# Altium PCB PCB_v4.PcbDoc (part 4 of 7) (continued)
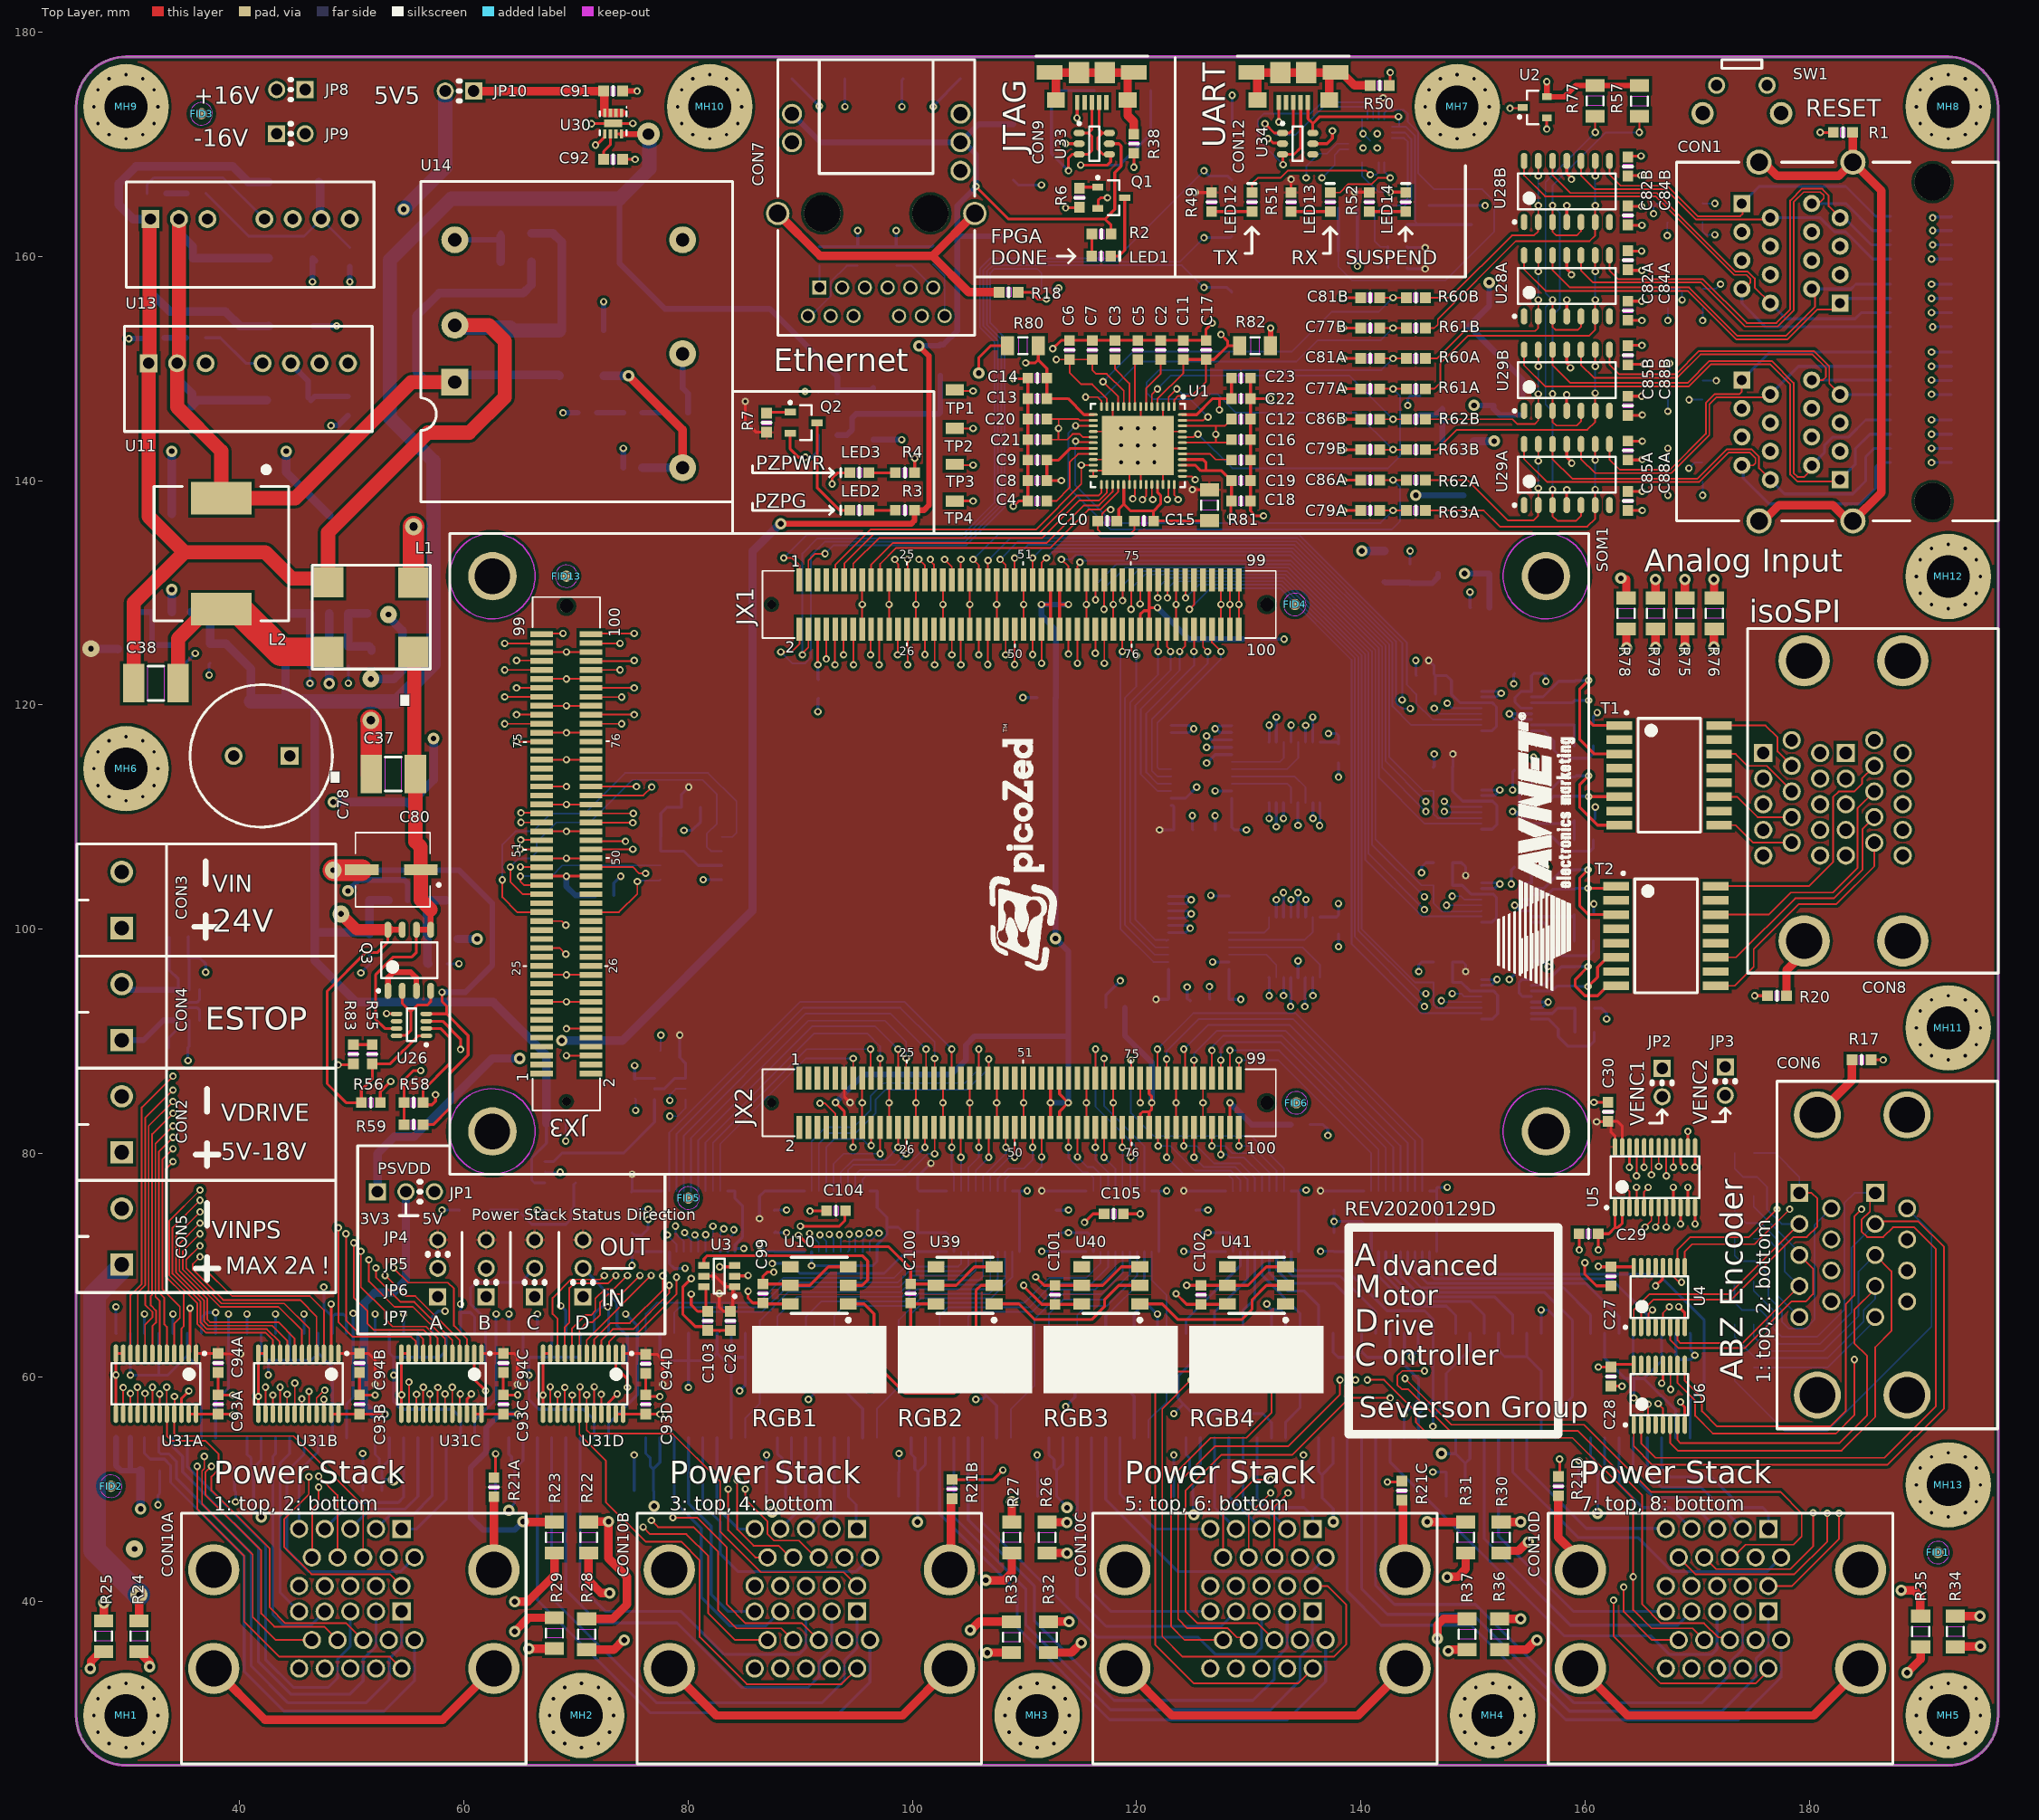
[diagram p0: Top Layer view]
## Nets (pads, with @x,y where several pads share a name; then routed paths per layer and width w, separated by ;. In a path a pad name is that pad's centre, name@x,y a point inside that pad or via, vN(x,y) a via of type N, cw(c..) or ccw(c..) an arc to the next point about the centre after c; other vN are vias at no path point) (continued)
  Bottom Layer w0.508: v1(30.099,152.654) 30.118,152.673 31.5,152.673 R40.1@31.566,152.739 ; v1(46.482,157.734) 46.482,159.816 C41.2@46.505,159.839 C41.2@46.745,159.599 ; C36.2@46.533,153.765 46.565,153.797 v1(48.641,153.797) ; v1(48.133,144.907) 48.152,144.926 48.767,144.926 C39.1@49.645,145.805 ; v2(49.651,103.397) 50.637,104.383 54.671,104.383 54.973,104.081 U15.3@54.973,102.548 ; v1(49.808,157.734) C44.2@49.808,159.091 ; v1(68.834,146.05) 70.13,146.05 R45.1@70.143,146.063 ; C48.2@72.453,153.416 v1(72.453,155.956) ; C50.1@74.207,141.157 v1(74.207,142.875) ; U17.1@96.516,143.664 96.524,143.656 99.04,143.656 v1(99.048,143.648) ; v2(144.907,138.684) 149.152,138.684 U18.4@149.173,138.663 ; v2(150.09,146.706) U19.1@151.839,146.706 151.839,146.402 152.385,145.856 C59.2@154.432,145.856
  Bottom Layer w0.762: v2(33.934,130.277) 33.939,130.272 33.939,128.275 U21.3@33.944,128.27 ; v2(33.934,142.621) 33.934,137.043 U21.6@33.944,137.033 ; v2(44.128,142.621) 44.128,140.755 U20.6@47.976,136.906 ; v1(46.253,121.92) v1@46.264,121.931 ; C61.2@46.264,123.599 C61.2@46.275,123.61 ; v2(47.976,121.895) U20.3@47.976,128.143 ; v2(48.336,111.328) 54.956,111.328 U15.6@54.973,111.311 55.134,111.15 57.28,113.296 v2(57.28,116.994)
  other v1: 41.656,58.303 169.799,61.976 137.06,81.585 97.918,84.496 105.118,84.496 152.146,95.504 124.87,101.346 124.87,102.606 152.4,104.013 69.132,106.308 69.132,108.708 69.132,111.108 69.132,115.108 69.132,117.508 125.095,117.856 127,117.856 69.132,119.908 152.527,121.031 69.132,122.308 69.132,124.708 95.518,128.946 97.918,128.946 100.318,128.946 102.718,128.946 105.118,128.946 107.518,128.946 109.918,128.946 115.518,128.946 117.918,128.946 123.518,128.946 120.105,141.608 118.628,141.629 121.583,141.629 118.628,143.15 121.583,143.15 120.105,144.65 118.628,144.672 121.583,144.672 140.196,169.672 141.466,169.672 140.196,170.942 141.466,170.942
GND_IN: C37.1 C78.2 C80.2 CON3.2 L1.2 R59.2 U26.4 | length 116.2
  Top Layer w0.254: R59.2@56.349,82.55 57.259,82.55 58.684,83.975 58.684,87.075 60.369,88.759 60.369,90.507 58.451,92.425 ; U26.4@56.635,92.425 58.451,92.425 ; v1(58.039,94.361) 58.039,93.53 58.451,93.118 58.451,92.425
  Top Layer w1.905: v4(48.336,105.243) 50.844,105.243 C80.2@50.884,105.283 ; v5(51.689,118.618) 51.725,118.582 C37.1@51.725,113.826 ; L1.2@55.479,130.914 55.479,135.87 v5(55.499,135.89)
  Int2 (Sign) w1.905: CON3.2@29.464,105.091 33.717,105.091 39.446,110.82 ; v4(48.336,105.243) 45.023,105.243 39.446,110.82 ; v5(55.499,135.89) 55.499,122.428 v5(51.689,118.618) 42.621,118.618 C78.2@39.446,115.443 39.446,110.82
  Bottom Layer w0.508: v4(48.336,105.243) 59.574,105.243 62.528,102.289 62.528,96.773 60.116,94.361 v1(58.039,94.361)
GND_IN2: C36.1 C38.1 C40.1 C42.1 C46.1 C48.1 C49.1 L1.3 R47.2 U11.1 U13.1 U14.2 | length 156.5
  Top Layer w1.27: C38.1@30.544,121.92 30.544,129.096 35.052,133.604 ; U13.1@32.028,163.329 31.946,163.248 31.946,150.546 U11.1@31.865,150.465 31.865,136.791 35.052,133.604 ; U14.2@59.182,153.857 62.214,153.857 63.627,152.444 63.627,147.424 60.475,144.272 56.769,144.272 47.879,135.382 L1.3@47.879,130.937 47.545,131.271 44.624,131.271 42.291,133.604 35.052,133.604
  Bottom Layer w0.762: C40.1@31.802,146.655 31.834,146.686 31.834,150.433 U11.1@31.865,150.465 ; C42.1@42.569,166.629 40.762,166.629 39.37,168.021 30.734,168.021 29.21,166.497 29.21,164.592 30.473,163.329 U13.1@32.028,163.329 31.946,163.247 31.946,159.921 C46.1@31.864,159.839 31.864,156.979 33.776,155.067 38.735,155.067 40.037,153.765 C36.1@42.597,153.765 C36.1@42.579,153.784 ; R47.2@66.018,162.052 67.945,162.052 68.707,161.29 68.707,153.606 C48.1@68.517,153.416 C48.1@68.485,153.384
  Bottom Layer w1.27: U14.2@59.182,153.857 59.398,153.641 64.1,153.641 64.357,153.384 C48.1@68.485,153.384
GND_IN_PS: CON5.2 CON10A.14A CON10A.14B CON10B.14A CON10B.14B CON10C.14A CON10C.14B CON10D.14A CON10D.14B | length 267.5
  Int2 (Sign) w1.27: CON5.2@29.464,75.068 26.924,72.528 26.924,48.387 v4(30.607,44.704)
  Int3 (Sign) w0.508: 43.931,42.672 46.304,42.672 CON10A.14A@47.574,41.402 ; 84.76,42.723 86.893,42.723 CON10B.14A@88.214,41.402 ; 124.663,42.621 127.635,42.621 CON10C.14A@128.854,41.402 ; 165.354,41.783 166.294,42.723 168.173,42.723 CON10D.14A@169.494,41.402
  Int3 (Sign) w1.27: v4(30.607,44.704) 36.83,38.481 39.74,38.481 ; 43.931,42.672 39.74,38.481 ; CON10A.14B@47.574,34.036 47.574,30.353 ; 84.76,42.723 82.931,40.894 82.931,30.48 ; CON10B.14B@88.214,34.036 88.214,30.48 ; 124.663,42.621 123.063,41.021 123.063,30.226 ; CON10C.14B@128.854,34.036 128.854,30.226 ; 165.354,41.783 165.354,29.591 ; CON10D.14B@169.494,34.036 169.426,33.968 169.426,31.682 167.335,29.591 165.354,29.591 ; 39.74,38.481 42.164,36.057 42.164,33.234 45.045,30.353 47.574,30.353 ; 47.574,30.353 64.008,30.353 68.58,34.925 72.527,34.925 76.972,30.48 82.931,30.48 ; 82.931,30.48 88.214,30.48 ; 88.214,30.48 104.457,30.48 108.902,34.925 113.157,34.925 117.856,30.226 123.063,30.226 ; 123.063,30.226 128.854,30.226 ; 128.854,30.226 145.004,30.226 149.703,34.925 153.909,34.925 159.243,29.591 165.354,29.591
IMA: R66.2 T1.3 U9A.10 | length 15.4
  Top Layer w0.254: v1(160.318,122.174) 159.512,121.368 159.512,116.928 160.829,115.611 T1.3@163.068,115.611
  Bottom Layer w0.254: U9A.10@155.221,120.694 155.229,120.702 156.255,120.702 157.652,122.1 R66.2@159.099,122.1 159.173,122.174 v1(160.318,122.174)
IMB: R67.2 T1.8 U9B.10 | length 13.2
  Top Layer w0.254: v1(160.318,113.665) 159.512,112.859 159.512,110.871 161.122,109.261 T1.8@163.068,109.261
  Bottom Layer w0.254: U9B.10@155.221,111.9 156.41,111.9 158.06,113.55 R67.2@159.099,113.55 159.214,113.665 v1(160.318,113.665)
IMC: R68.2 T2.3 U9C.10 | length 12.8
  Top Layer w0.254: v1(160.274,105.283) 159.512,104.521 159.512,102.091 160.318,101.285 T2.3@162.773,101.285
  Bottom Layer w0.254: U9C.10@155.221,103.615 156.32,103.615 157.97,105.265 R68.2@159.099,105.265 159.117,105.283 v1(160.274,105.283)
IMD: R69.2 T2.8 U9D.10 | length 12.3
  Top Layer w0.254: v1(160.274,96.647) 160.272,96.647 159.127,95.503 159.127,94.898 159.981,94.043 161.119,94.043 162.011,94.935 T2.8@162.773,94.935
  Bottom Layer w0.254: U9D.10@155.221,94.976 155.229,94.985 156.258,94.985 157.9,96.626 R69.2@159.099,96.626 159.12,96.647 v1(160.274,96.647)
INV1_PWM1: CON10A.1A U23E.11 | length 10.8
  Bottom Layer w0.254: CON10A.1A@54.229,46.685 CON10A.1A@54.432,46.482 55.767,46.482 58.42,49.135 U23E.11@58.42,54.61
INV1_PWM2: CON10A.2A U23E.12 | length 11.4
  Bottom Layer w0.254: CON10A.2A@52.146,46.482 53.416,47.752 55.474,47.752 57.15,49.428 U23E.12@57.15,54.61
INV1_PWM3: CON10A.3A U23E.13 | length 12.5
  Bottom Layer w0.254: CON10A.3A@49.86,46.482 51.638,48.26 54.762,48.26 55.88,49.378 U23E.13@55.88,54.61
INV1_PWM4: CON10A.4A U23E.14 | length 13.5
  Bottom Layer w0.254: CON10A.4A@47.574,46.482 49.931,48.839 54.135,48.839 54.61,49.313 U23E.14@54.61,54.61
INV1_PWM5: CON10A.5A U25F.11 | length 8.8
  Bottom Layer w0.254: CON10A.5A@45.288,46.482 45.288,51.671 46.99,53.372 U25F.11@46.99,54.61
INV1_PWM6: CON10A.6A U25F.12 | length 23.3
  Bottom Layer w0.254: U25F.12@45.72,54.61 45.72,53.137 44.196,51.613 44.196,44.633 46.157,42.672 54.305,42.672 CON10A.6A@55.575,43.942
INV2_PWM1: CON10A.1B U23F.13 | length 45.3
  Bottom Layer w0.254: U23F.13@32.766,54.61 32.766,53.362 32.951,53.177 33.672,53.177 34.336,52.514 34.336,51.008 41.021,44.323 41.021,34.239 44.272,30.988 51.281,30.988 53.34,33.047 53.34,34.905 54.432,35.997 CON10A.1B@54.432,39.116
INV2_PWM2: CON10A.2B U23F.12 | length 40.8
  Bottom Layer w0.254: U23F.12@34.036,54.61 34.036,53.81 34.9,52.946 34.9,51.567 41.645,44.822 41.645,34.653 44.547,31.75 49.824,31.75 51.003,32.929 51.003,34.854 52.146,35.997 CON10A.2B@52.146,39.116
INV2_PWM3: CON10A.3B U23F.11 | length 36.9
  Bottom Layer w0.254: U23F.11@35.306,54.61 35.306,52.07 42.295,45.081 42.295,34.82 44.769,32.345 47.89,32.345 48.717,33.172 48.717,34.874 49.86,36.017 CON10A.3B@49.86,39.116
INV2_PWM4: CON10A.4B U25F.14 | length 21.4
  Bottom Layer w0.254: U25F.14@43.18,54.61 43.18,53.182 42.945,52.946 42.945,38.843 43.942,37.846 46.304,37.846 CON10A.4B@47.574,39.116
INV2_PWM5: CON10A.5B U25F.13 | length 16.5
  Bottom Layer w0.254: U25F.13@44.45,54.61 44.45,53.213 43.595,52.358 43.595,40.81 CON10A.5B@45.288,39.116
INV2_PWM6: CON10A.6B U23F.14 | length 46.7
  Bottom Layer w0.254: U23F.14@31.496,54.61 31.496,53.213 32.004,52.705 33.274,52.705 33.824,52.155 33.824,50.631 40.386,44.069 40.386,33.782 43.942,30.226 52.881,30.226 55.575,32.92 CON10A.6B@55.575,36.576
INV3_PWM1: CON10B.1A U25D.11 | length 8.5
  Bottom Layer w0.254: U25D.11@94.293,54.61 94.293,49.344 94.983,48.654 94.983,46.571 CON10B.1A@95.072,46.482
INV3_PWM2: CON10B.2A U25D.12 | length 8.2
  Bottom Layer w0.254: CON10B.2A@92.786,46.482 93.023,46.718 U25D.12@93.023,54.61
INV3_PWM3: CON10B.3A U25D.13 | length 8.6
  Bottom Layer w0.254: CON10B.3A@90.5,46.482 91.753,47.734 U25D.13@91.753,54.61
INV3_PWM4: CON10B.4A U25D.14 | length 9.1
  Bottom Layer w0.254: CON10B.4A@88.214,46.482 90.483,48.75 U25D.14@90.483,54.61
INV3_PWM5: CON10B.5A U23D.11 | length 10.4
  Bottom Layer w0.254: U23D.11@82.562,54.61 82.562,48.375 84.455,46.482 CON10B.5A@85.928,46.482
INV3_PWM6: CON10B.6A U23D.12 | length 25.5
  Bottom Layer w0.254: U23D.12@81.292,54.61 81.292,48.679 82.852,47.119 82.852,44.275 84.455,42.672 94.945,42.672 CON10B.6A@96.215,43.942
INV4_PWM1: CON10B.1B U25E.13 | length 51.7
  Bottom Layer w0.254: U25E.13@67.809,54.61 67.809,40.332 77.153,30.988 91.948,30.988 93.929,32.969 93.929,34.747 95.072,35.89 CON10B.1B@95.072,39.116
INV4_PWM2: CON10B.2B U25E.12 | length 46.4
  Bottom Layer w0.254: U25E.12@69.079,54.61 69.079,41.03 72.009,38.1 78.994,38.1 84.749,32.345 90.702,32.345 91.694,33.337 91.694,34.689 92.786,35.781 CON10B.2B@92.786,39.116
INV4_PWM3: CON10B.3B U25E.11 | length 39.3
  Bottom Layer w0.254: U25E.11@70.349,54.61 70.349,41.411 72.644,39.116 79.375,39.116 83.185,35.306 89.916,35.306 90.5,35.89 CON10B.3B@90.5,39.116
INV4_PWM4: CON10B.4B U23D.14 | length 23.9
  Bottom Layer w0.254: U23D.14@78.752,54.61 78.752,48.937 81.153,46.535 81.153,40.386 83.693,37.846 86.944,37.846 CON10B.4B@88.214,39.116
INV4_PWM5: CON10B.5B U23D.13 | length 19.3
  Bottom Layer w0.254: U23D.13@80.022,54.61 80.022,48.759 82.042,46.739 82.042,40.64 83.566,39.116 CON10B.5B@85.928,39.116
INV4_PWM6: CON10B.6B U25E.14 | length 53.2
  Bottom Layer w0.254: U25E.14@66.539,54.61 66.539,40.141 76.581,30.099 93.496,30.099 96.215,32.818 CON10B.6B@96.215,36.576
INV5_PWM1: CON10C.1A U23B.11 | length 12.2
  Bottom Layer w0.254: U23B.11@130.756,54.61 130.756,49.149 131.514,48.39 134.917,48.39 135.712,47.595 CON10C.1A@135.712,46.482
INV5_PWM2: CON10C.2A U23B.12 | length 10.3
  Bottom Layer w0.254: U23B.12@129.486,54.61 129.486,49.447 131.134,47.799 132.11,47.799 CON10C.2A@133.426,46.482
INV5_PWM3: CON10C.3A U23B.13 | length 9.3
  Bottom Layer w0.254: U23B.13@128.216,54.61 128.216,49.406 CON10C.3A@131.14,46.482
INV5_PWM4: CON10C.4A U23B.14 | length 8.9
  Bottom Layer w0.254: U23B.14@126.946,54.61 126.946,48.39 CON10C.4A@128.854,46.482
INV5_PWM5: CON10C.5A U25C.11 | length 14.4
  Bottom Layer w0.254: U25C.11@118.512,54.61 118.512,49.603 121.633,46.482 CON10C.5A@126.568,46.482
INV5_PWM6: CON10C.6A U25C.12 | length 28.3
  Bottom Layer w0.254: U25C.12@117.242,54.61 117.242,49.128 123.698,42.672 135.585,42.672 CON10C.6A@136.855,43.942
INV6_PWM1: CON10C.1B U23C.13 | length 54.6
  Bottom Layer w0.254: U23C.13@103.698,54.61 103.698,47.549 110.109,41.138 110.109,37.922 117.678,30.353 131.953,30.353 134.569,32.969 134.569,35.031 135.661,36.124 135.661,39.065 CON10C.1B@135.712,39.116
INV6_PWM2: CON10C.2B U23C.12 | length 50.4
  Bottom Layer w0.254: U23C.12@104.968,54.61 104.968,47.305 110.871,41.402 110.871,38.303 117.983,31.191 130.378,31.191 132.283,33.096 132.283,34.76 133.426,35.903 CON10C.2B@133.426,39.116
INV6_PWM3: CON10C.3B U23C.11 | length 40.8
  Bottom Layer w0.254: U23C.11@106.238,54.61 106.238,47.063 116.471,36.83 125.476,36.83 127,35.306 130.577,35.306 131.14,35.87 CON10C.3B@131.14,39.116
INV6_PWM4: CON10C.4B U25C.14 | length 30
  Bottom Layer w0.254: U25C.14@114.702,54.61 114.702,40.386 117.291,37.797 127.535,37.797 CON10C.4B@128.854,39.116
INV6_PWM5: CON10C.5B U25C.13 | length 25.1
  Bottom Layer w0.254: U25C.13@115.972,54.61 115.972,40.873 117.729,39.116 CON10C.5B@126.568,39.116
INV6_PWM6: CON10C.6B U23C.14 | length 55.8
  Bottom Layer w0.254: U23C.14@102.428,54.61 102.428,47.813 109.357,40.884 109.357,37.689 117.583,29.464 133.445,29.464 136.855,32.874 CON10C.6B@136.855,36.576
INV7_PWM1: CON10D.1A U25A.11 | length 15.3
  Bottom Layer w0.254: U25A.11@166.832,54.61 166.832,51.889 167.595,51.126 171.251,51.126 173.99,48.387 175.846,48.387 176.352,47.881 CON10D.1A@176.352,46.482
INV7_PWM2: CON10D.2A U25A.12 | length 13.7
  Bottom Layer w0.254: U25A.12@165.562,54.61 165.562,51.468 166.839,50.19 170.358,50.19 CON10D.2A@174.066,46.482
INV7_PWM3: CON10D.3A U25A.13 | length 12.9
  Bottom Layer w0.254: U25A.13@164.292,54.61 164.292,51.126 166.141,49.276 168.986,49.276 CON10D.3A@171.78,46.482
INV7_PWM4: CON10D.4A U25A.14 | length 12.3
  Bottom Layer w0.254: U25A.14@163.022,54.61 163.022,50.487 165.121,48.387 167.589,48.387 CON10D.4A@169.494,46.482
INV7_PWM5: CON10D.5A U23A.11 | length 17.4
  Bottom Layer w0.254: U23A.11@154.813,54.61 154.813,51.816 160.097,46.532 167.159,46.532 CON10D.5A@167.208,46.482
INV7_PWM6: CON10D.6A U23A.12 | length 31.2
  Bottom Layer w0.254: U23A.12@153.543,54.61 153.543,51.562 159.385,45.72 164.719,45.72 167.767,42.672 176.225,42.672 CON10D.6A@177.495,43.942
INV8_PWM1: CON10D.1B U25B.13 | length 60.7
  Bottom Layer w0.254: U25B.13@140.057,54.61 140.057,41.172 142.367,38.862 149.972,38.862 158.608,30.226 172.212,30.226 175.26,33.274 175.26,34.925 176.352,36.017 CON10D.1B@176.352,39.116
INV8_PWM2: CON10D.2B U25B.12 | length 56.2
  Bottom Layer w0.254: U25B.12@141.327,54.61 141.327,41.426 143.002,39.751 150.223,39.751 158.986,30.988 170.434,30.988 172.872,33.426 172.872,34.569 174.066,35.763 CON10D.2B@174.066,39.116
INV8_PWM3: CON10D.3B U25B.11 | length 42
  Bottom Layer w0.254: U25B.11@142.597,54.61 142.597,52.475 158.115,36.957 165.845,36.957 167.496,35.306 171.323,35.306 171.78,35.763 CON10D.3B@171.78,39.116
INV8_PWM4: CON10D.4B U23A.14 | length 31.2
  Bottom Layer w0.254: U23A.14@151.003,54.61 151.003,45.593 158.699,37.897 168.275,37.897 CON10D.4B@169.494,39.116
INV8_PWM5: CON10D.5B U23A.13 | length 26.5
  Bottom Layer w0.254: U23A.13@152.273,54.61 152.273,45.847 159.004,39.116 CON10D.5B@167.208,39.116
INV8_PWM6: CON10D.6B U25B.14 | length 62
  Bottom Layer w0.254: U25B.14@138.787,54.61 138.787,40.918 141.808,37.897 149.836,37.897 158.269,29.464 173.685,29.464 177.495,33.274 CON10D.6B@177.495,36.576
INV_STS_A1: CON10A.8A U31A.21 | length 27.4
  Top Layer w0.152: v1(34.173,58.303) 34.172,56.764 U31A.21@34.145,56.736 34.145,55.019 34.393,54.77 44.774,54.77 51.003,48.542 CON10A.8A@51.003,43.942
INV_STS_A2: CON10A.8B U31A.20 | length 35.3
  Top Layer w0.152: v1(33.477,59.131) 33.486,59.123 33.486,56.745 U31A.20@33.495,56.736 33.495,54.77 33.909,54.356 36.928,54.356 38.102,53.182 38.102,51.779 37.465,51.142 37.465,49.911 42.672,44.704 42.672,39.469 44.066,38.075 49.505,38.075 CON10A.8B@51.003,36.576
INV_STS_A3: CON10B.8A U31A.19 | length 78.5
  Top Layer w0.152: U31A.19@32.845,56.736 v1(32.845,58.519) ; v1(85.09,50.038) 85.09,49.127 87.071,47.145 87.071,46.025 87.655,45.441 89.891,45.441 91.161,44.17 91.415,44.17 CON10B.8A@91.643,43.942
  Int3 (Sign) w0.152: v1(32.845,58.519) 32.845,50.467 37.16,46.152 41.676,46.152 43.795,48.27 61.839,48.27 64.338,45.771 77.191,45.771 77.978,46.558 77.978,47.676 78.78,48.477 83.529,48.477 v1(85.09,50.038)
INV_STS_A4: CON10B.8B U31A.18 | length 83.4
  Top Layer w0.152: U31A.18@32.195,56.736 32.201,56.742 32.201,59.125 v1(32.207,59.131) ; v1(78.627,47.488) 80.782,47.488 83.439,44.831 83.439,39.751 85.115,38.075 90.145,38.075 CON10B.8B@91.643,36.576
  Int3 (Sign) w0.152: v1(32.207,59.131) 32.207,50.216 36.576,45.847 41.898,45.847 43.93,47.879 61.722,47.879 64.135,45.466 77.749,45.466 78.627,46.344 v1(78.627,47.488)
INV_STS_A5: CON10C.8A U31A.17 | length 137.4
  Top Layer w0.152: U31A.17@31.545,56.736 31.546,56.737 v1(31.547,58.572) v1(31.547,58.572) ; CON10C.8A@132.283,43.942 132.283,48.472 v1(133.507,49.696)
  Int2 (Sign) w0.152: v1(31.547,58.572) 31.547,59.334 36.22,64.008 137.582,64.008 141.808,59.782 141.808,56.21 135.294,49.696 v1(133.507,49.696)
INV_STS_A6: CON10C.8B U31A.16 | length 161.4
  Top Layer w0.152: v1(30.861,59.131) 30.895,59.098 U31A.16@30.895,56.736 ; CON10C.8B@132.283,36.576 130.785,38.075 125.447,38.075 124.358,39.163 124.358,49.903 127.542,53.086 133.858,53.086 138.947,58.175 v1(142.621,58.175)
  Int2 (Sign) w0.152: v1(30.861,59.131) 36.043,64.313 138.336,64.313 142.621,60.028 v1(142.621,58.175)
INV_STS_A7: CON10D.8A U31A.15 | length 170
  Top Layer w0.152: U31A.15@30.245,56.736 v1(30.245,58.572) ; v1(143.942,59.9) 148.063,55.779 159.908,55.779 165.891,49.796 177.407,49.796 179.324,47.879 179.324,45.808 178.601,45.085 174.32,45.085 173.405,44.17 173.151,44.17 CON10D.8A@172.923,43.942
  Int2 (Sign) w0.152: v1(30.245,58.572) 30.245,59.305 35.557,64.618 139.225,64.618 v1(143.942,59.9)
INV_STS_A8: CON10D.8B U31A.14 | length 171.7
  Top Layer w0.152: U31A.14@29.595,56.736 29.591,56.74 29.595,56.743 v1(29.595,59.098) ; v1(145.676,60.579) 143.7,60.579 143.254,60.133 143.254,59.349 143.654,58.949 144.205,58.949 147.909,55.245 159.346,55.245 165.1,49.491 165.1,39.751 166.777,38.075 170.611,38.075 171.882,36.804 172.695,36.804 CON10D.8B@172.923,36.576
  Int2 (Sign) w0.152: v1(29.595,59.098) 29.595,60.583 33.934,64.922 140.062,64.922 144.406,60.579 v1(145.676,60.579)
INV_STS_A_DIR: JP4.2 U31A.2 | length 27.7
  Top Layer w0.254: U31A.2@35.445,62.136 35.56,62.251 v1(35.56,66.173)
  Int2 (Sign) w0.254: v1(35.56,66.173) 36.578,67.191 53.765,67.191 56.305,69.731 JP4.2@57.655,69.731
INV_STS_B1: CON10A.9A U31B.21 | length 19
  Top Layer w0.152: U31B.21@46.845,56.736 46.845,58.176 47.523,58.854 v1(47.58,58.854) ; v1(47.034,51.181) 48.717,49.498 CON10A.9A@48.717,43.942
  Int2 (Sign) w0.152: v1(47.034,51.181) 48.467,52.614 48.467,57.967 v1(47.58,58.854)
INV_STS_B2: CON10A.9B U31B.20 | length 39
  Top Layer w0.152: v1(37.465,52.07) 36.932,51.537 36.932,49.535 41.91,44.557 41.91,38.935 43.075,37.77 47.523,37.77 CON10A.9B@48.717,36.576 ; v1(46.176,58.746) 46.176,56.755 U31B.20@46.195,56.736
  Int2 (Sign) w0.152: v1(37.465,52.07) 43.383,52.07 46.176,54.862 v1(46.176,58.746)
INV_STS_B3: CON10B.9A U31B.19 | length 63.8
  Top Layer w0.152: v1(45.531,58.096) 45.531,56.75 U31B.19@45.545,56.736 ; v1(84.367,50.839) v1(84.367,50.839) 84.366,46.444 85.827,44.983 88.062,44.983 89.103,43.942 CON10B.9A@89.357,43.942
  Int2 (Sign) w0.152: v1(45.531,58.096) 45.531,58.892 45.955,59.315 46.396,59.315 46.845,58.867 46.845,54.518 45.288,52.962 45.288,49.995 46.058,49.225 64.013,49.225 65.627,50.839 v1(84.367,50.839)
INV_STS_B4: CON10B.9B U31B.18 | length 60.9
  Top Layer w0.152: U31B.18@44.895,56.736 44.904,56.746 v1(44.904,59.489) ; v1(76.708,47.244) 77.31,46.642 80.485,46.642 82.677,44.45 82.677,39.243 84.303,37.617 88.316,37.617 CON10B.9B@89.357,36.576
  Int3 (Sign) w0.152: v1(44.904,59.489) 44.904,57.47 52.844,49.53 74.422,49.53 v1(76.708,47.244)